# Altium PCB TSSPtrue.PcbDoc
Units mm, origin at the board's own origin, x right, y up, seen from the top; angles counter-clockwise.
Board outline 102 x 102 mm, 2 copper layers (Top Layer, Bottom Layer); 88 components, 55 nets, 224 pads, 2 vias.
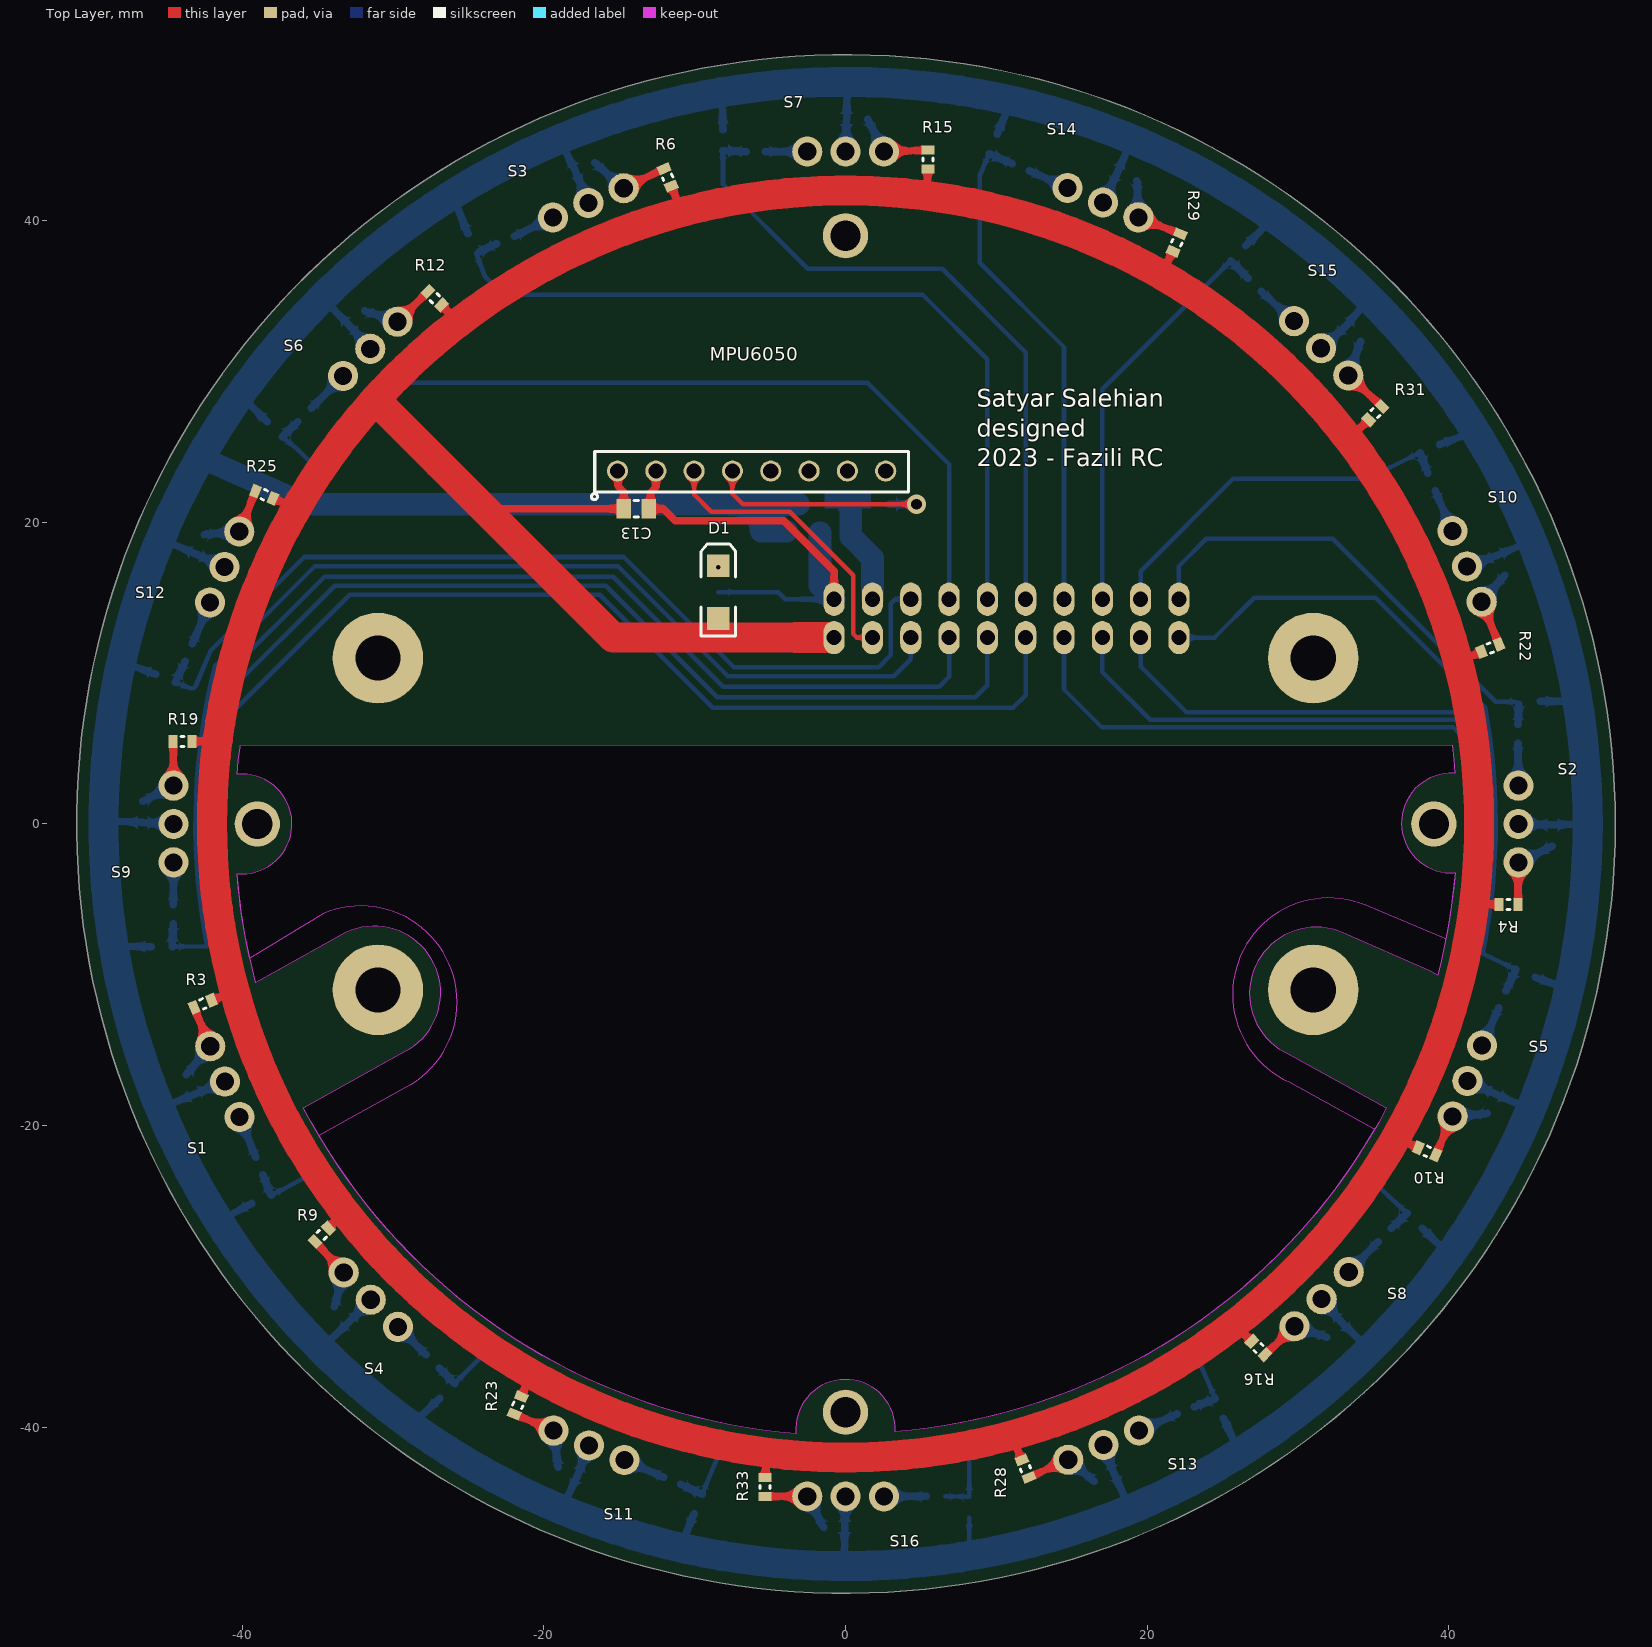
[diagram p0: Top Layer view]
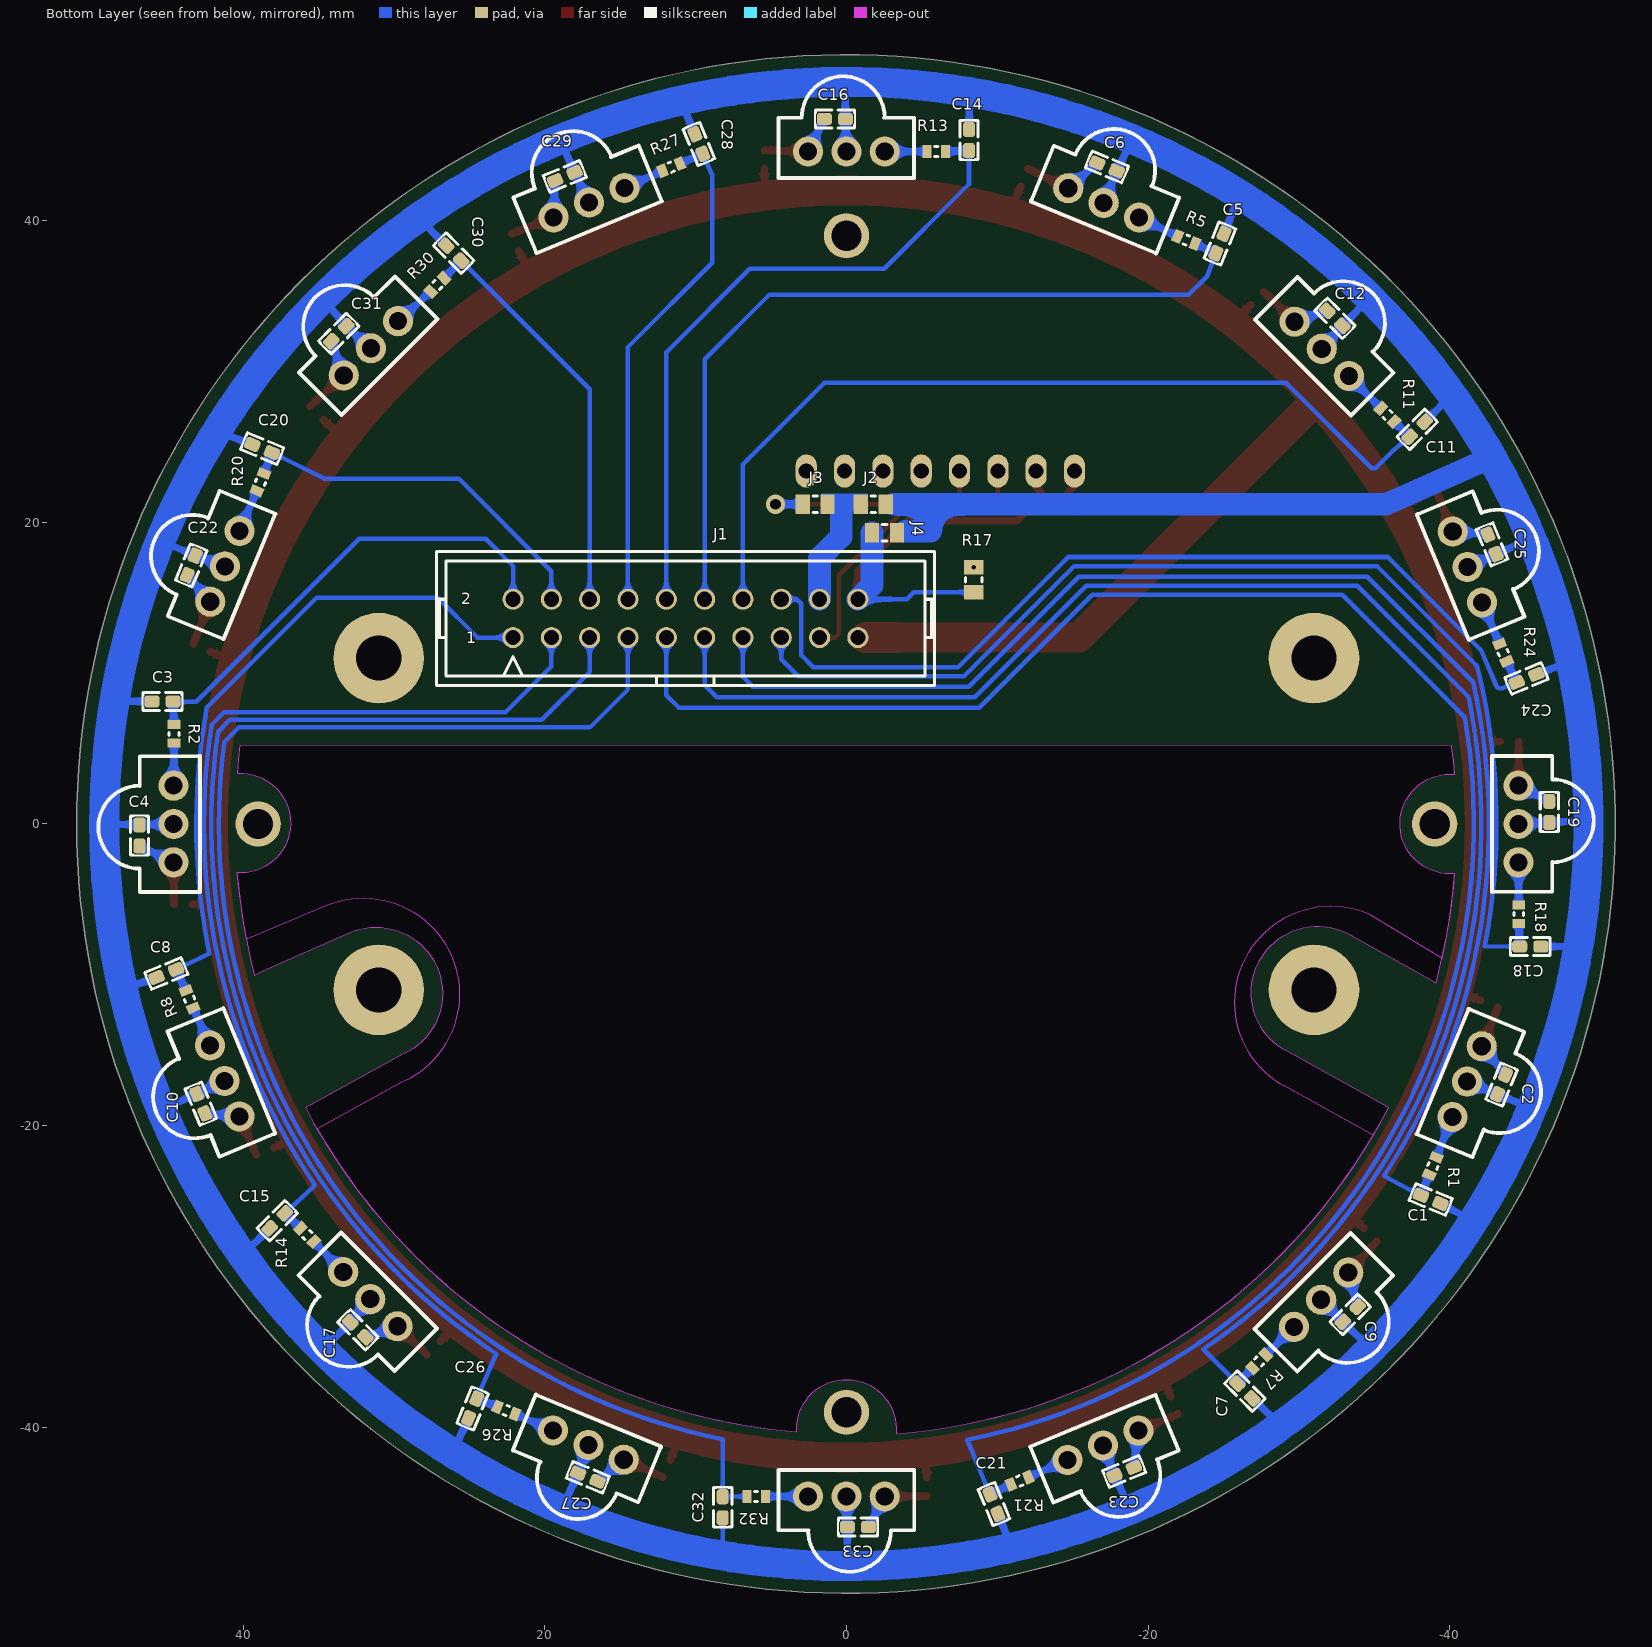
[diagram p1: Bottom Layer view, seen from below]

## Layer stack, top to bottom
Top Solder: solder mask 0.0102, Solder Resist, Dk 3.5
Top Layer: signal copper 0.0356
Dielectric 1: dielectric 0.32, FR-4, Dk 4.8
Bottom Layer: signal copper 0.0356
Bottom Solder: solder mask 0.0102, Solder Resist, Dk 3.5

## Board outline
-46.881,-20.02 ccw(c0.025,0) -46.917,-19.935
cut-out: -35.942,-18.797 -29.212,-15.08 ccw(c-31.242,-11.176) -33.412,-7.347 -39.089,-10.534 cw(c0,-0.04) -40.343,-3.288 -40.345,-3.287 ccw(c-40.005,0) -40.304,3.291 -40.336,3.294 cw(c0,-0.04) -40.146,5.098 -40.146,5.2 40.204,5.233 cw(c0.063,0.062) 40.4,3.372 40.305,3.364 ccw(c40.155,0.063) 40.402,-3.232 cw(c0.063,0.062) 39.256,-10.036 38.697,-9.738 32.97,-7.224 ccw(c31.176,-11.242) 29.337,-15.24 35.858,-18.826 cw(c0.063,0.062) 3.301,-40.282 ccw(c0,-40.132) -3.295,-40.379 -3.298,-40.418 cw(c-0.059,-0.075)
cut-out: -34.918,-20.64 -29.185,-17.468 ccw(c-32.131,-11.811) -34.628,-5.942 -39.497,-8.89 -39.494,-8.888 cw(c0,-0.04) -40.343,-3.288 -40.345,-3.287 ccw(c-40.005,0) -40.304,3.291 -40.336,3.294 cw(c0,-0.04) -40.146,5.098 -40.146,5.2 40.204,5.233 cw(c0.063,0.062) 40.4,3.372 40.305,3.364 ccw(c40.155,0.063) 40.402,-3.232 cw(c0.063,0.062) 39.799,-7.629 39.751,-7.62 34.484,-5.394 ccw(c32.033,-11.282) 29.415,-17.098 35.052,-20.193 35.09,-20.215 cw(c0.063,0.062) 3.301,-40.282 ccw(c0,-40.132) -3.295,-40.379 -3.298,-40.418 cw(c-0.059,-0.075)

## Design rules (kind name [scope] priority, off if disabled: settings)
Clearance [All] p1: gap=0.2 ignorepadtopadclearanceinfootprint=FALSE except(0.3: Arc-Via Track-Via SMDPad-Via THPad-Via Via-Via)
PolygonConnect [All] p1: connectstyle=Relief reliefconductorwidth=0.254 reliefentries=4 polygonreliefangle="90 Angle" airgapwidth=0.254
RoutingVias [All] p1: holewidth=0.711 width=1.27 viastyle="Through Hole" minholewidth=0.711 minwidth=1.27 maxholewidth=0.711 maxwidth=1.27
SolderMaskExpansion [All] p1: expansion=0.102 istentingtop=FALSE
Width [All] p1: maxlimit=2 minlimit=0.3 preferedwidth=0.5 minimp=50.000000 maximp=50.000000 favimp=50.000000
30 further rules are at their usual default settings.

## Components (designator, comment, footprint, x,y, rotation, side; value= is the part's Value field where it differs from the comment)
C1 "10nF" C0603 -38.735,-24.892 r202.5 bottom
C2 "10nF" C0603 -43.434,-17.272 r292.5 bottom
C3 "10nF" C0603 45.339,8.128 r0 bottom
C4 "10nF" C0603 46.863,-0.762 r90 bottom
C5 "10nF" C0603 -24.765,38.481 r112.5 bottom
C6 "10nF" C0603 -17.272,43.561 r202.5 bottom
C7 "10nF" C0603 -26.416,-37.592 r225 bottom
C8 "10nF" C0603 45.085,-9.906 r337.5 bottom
C9 "10nF" C0603 -33.401,-32.512 r315 bottom
C10 "10nF" C0603 42.799,-18.542 r67.5 bottom
C11 "10nF" C0603 -37.846,26.162 r135 bottom
C12 "10nF" C0603 -32.385,33.528 r225 bottom
C13 "100nF" SMD_CAP_0805 -14.7,20.9 r0 top
C14 "10nF" C0603 -8.128,45.339 r90 bottom
C15 "10nF" C0603 37.732,-26.302 r315 bottom
C16 "10nF" C0603 0.762,46.736 r180 bottom
C17 "10nF" C0603 32.385,-33.528 r45 bottom
C18 "10nF" C0603 -45.339,-8.128 r180 bottom
C19 "10nF" C0603 -46.6,0.8 r270 bottom
C20 "10nF" C0603 38.735,24.892 r22.5 bottom
C21 "10nF" C0603 -9.779,-45.085 r247.5 bottom
C22 "10nF" C0603 43.434,17.145 r112.5 bottom
C23 "10nF" C0603 -18.415,-42.926 r337.5 bottom
C24 "10nF" C0603 -45.085,9.652 r157.5 bottom
C25 "10nF" C0603 -42.799,18.542 r247.5 bottom
C26 "10nF" C0603 24.779,-38.747 r292.5 bottom
C27 "10nF" C0603 17.145,-43.307 r22.5 bottom
C28 "10nF" C0603 9.779,45.085 r67.5 bottom
C29 "10nF" C0603 18.669,42.926 r157.5 bottom
C30 "10nF" C0603 26.035,37.846 r45 bottom
C31 "10nF" C0603 33.655,32.512 r135 bottom
C32 "10nF" C0603 8.2,-45.3 r270 bottom
C33 "10nF" C0603 -0.762,-46.609 r0 bottom
D1 "LED Red" LED_Red_1206 -8.435,15.371 r90 top
J1 "TSSP" IDC_2X10 10.67,13.63 r180 bottom locked value=IDC_2X10
J2 "" "RES 0805 (2012X06L)" -0.95,21.2 r180 bottom
J3 "" "RES 0805 (2012X06L)" 1.25,21.2 r0 bottom
J4 "" "RES 0805 (2012X06L)" -1.7,19.3 r180 bottom
MPU6050 "HDRF8" HDR_F_1X8 -6.23,23.4 r0 top
R1 "1K" "RES 0603 (1608X06L)" -39.116,-22.098 r292.5 bottom
R2 "1K" "RES 0603 (1608X06L)" 44.577,5.36 r90 bottom
R3 "1K" "RES 0603 (1608X06L)" -42.037,-11.684 r202.5 top
R4 "1K" "RES 0603 (1608X06L)" 43.333,-5.334 r0 top
R5 "1K" "RES 0603 (1608X06L)" -21.964,38.957 r202.5 bottom
R6 "1K" "RES 0603 (1608X06L)" -11.557,42.291 r112.5 top
R7 "1K" "RES 0603 (1608X06L)" -27.804,-35.188 r315 bottom
R8 "1K" "RES 0603 (1608X06L)" 43.307,-12.192 r67.5 bottom
R9 "1K" "RES 0603 (1608X06L)" -34.29,-26.797 r225 top
R10 "1K" "RES 0603 (1608X06L)" 37.973,-21.463 r337.5 top
R11 "1K" "RES 0603 (1608X06L)" -35.433,27.559 r225 bottom
R12 "1K" "RES 0603 (1608X06L)" -26.797,34.417 r135 top
R13 "1K" "RES 0603 (1608X06L)" -5.334,44.577 r180 bottom
R14 "1K" "RES 0603 (1608X06L)" 35.306,-27.686 r45 bottom
R15 "1K" "RES 0603 (1608X06L)" 5.461,43.434 r90 top
R16 "1K" "RES 0603 (1608X06L)" 26.933,-34.299 r315 top
R17 "2.2K" "RES 0805 (2012X06L)" -8.435,15.371 r90 bottom
R18 "1K" "RES 0603 (1608X06L)" -44.577,-5.36 r270 bottom
R19 "1K" "RES 0603 (1608X06L)" -43.333,5.461 r180 top
R20 "1K" "RES 0603 (1608X06L)" 39.084,22.091 r112.5 bottom
R21 "1K" "RES 0603 (1608X06L)" -12.065,-43.307 r337.5 bottom
R22 "1K" "RES 0603 (1608X06L)" 42.164,11.43 r22.5 top
R23 "1K" "RES 0603 (1608X06L)" -21.495,-37.966 r247.5 top
R24 "1K" "RES 0603 (1608X06L)" -43.307,11.938 r247.5 bottom
R25 "1K" "RES 0603 (1608X06L)" -37.973,21.59 r157.5 top
R26 "1K" "RES 0603 (1608X06L)" 21.971,-39.116 r22.5 bottom
R27 "1K" "RES 0603 (1608X06L)" 12.192,43.307 r157.5 bottom
R28 "1K" "RES 0603 (1608X06L)" 11.684,-42.164 r292.5 top
R29 "1K" "RES 0603 (1608X06L)" 21.717,37.973 r67.5 top
R30 "1K" "RES 0603 (1608X06L)" 27.559,35.306 r135 bottom
R31 "1K" "RES 0603 (1608X06L)" 34.68,26.806 r45 top
R32 "1K" "RES 0603 (1608X06L)" 5.36,-44.577 r0 bottom
R33 "1K" "RES 0603 (1608X06L)" -5.334,-43.333 r270 top
S1 "TSSP58038" TSSP58038 -41.149,-17.082 r292.5 top locked
S2 "TSSP58038" TSSP58038 44.602,0 r90 top locked
S3 "TSSP58038" TSSP58038 -17.057,41.174 r202.5 top locked
S4 "TSSP58038" TSSP58038 -31.477,-31.539 r315 top locked
S5 "TSSP58038" TSSP58038 41.219,-17.035 r67.5 top locked
S6 "TSSP58038" TSSP58038 -31.513,31.503 r225 top locked
S7 "TSSP58038" TSSP58038 0,44.577 r180 top locked
S8 "TSSP58038" TSSP58038 31.564,-31.503 r45 top locked
S9 "TSSP58038" TSSP58038 -44.552,0 r270 top locked
S10 "TSSP58038" TSSP58038 41.199,17.082 r112.5 top locked
S11 "TSSP58038" TSSP58038 -17.01,-41.193 r337.5 top locked
S12 "TSSP58038" TSSP58038 -41.168,17.035 r247.5 top locked
S13 "TSSP58038" TSSP58038 17.108,-41.174 r22.5 top locked
S14 "TSSP58038" TSSP58038 17.061,41.193 r157.5 top locked
S15 "TSSP58038" TSSP58038 31.528,31.539 r135 top locked
S16 "TSSP58038" TSSP58038 0,-44.577 r0 top locked

## Footprints (in the part's own frame and the unit in brackets; to place one, negate y for a bottom-side part, rotate by r counter-clockwise, add the part's x,y. Pads: shape width x height; smd on the part's side, far side on the other; paste and mask are expansions set on the pad)
C0603 [mm] "CHIP Capacitor, 1.6X0.8mm, 0603"
  rrect50% 1x0.8 smd mask+0.075: 1(-0.7,0) 2(0.7,0)
  silkscreen extent -1.33,-0.6 1.32,0.6, body extent -0.8,-0.4 0.8,0.4, height 0.9
HDR_F_1X8 [mm] "HEADER FEMALE pitch: 2.54mm"
  round 1.4 / inner round 1.4 / far side oval 1.4x2.2 hole 1 mask+0.1: 1(-8.89,0) 2(-6.35,0) 3(-3.81,0) 4(-1.27,0) 5(1.27,0) 6(3.81,0) 7(6.35,0) 8(8.89,0)
  silkscreen extent -10.62,-1.9 10.4,1.3, body extent -9.92,-1.3 10.4,13.94, height 5.57
IDC_2X10 [mm]
  round 1.4 / inner round 1.4 / far side oval 1.4x2.2 hole 1 mask+0.1: 1(-11.43,-1.27) 2(-11.43,1.27) 3(-8.89,-1.27) 4(-8.89,1.27) 5(-6.35,-1.27) 6(-6.35,1.27) 7(-3.81,-1.27) 8(-3.81,1.27) 9(-1.27,-1.27) 10(-1.27,1.27) 11(1.27,-1.27) 12(1.27,1.27) 13(3.81,-1.27) 14(3.81,1.27) 15(6.35,-1.27) 16(6.35,1.27) 17(8.89,-1.27) 18(8.89,1.27) 19(11.43,-1.27) 20(11.43,1.27)
  silkscreen extent -16.51,-4.45 16.51,4.45, body extent -16.53,-4.42 16.53,4.75, height 9.13
LED_Red_1206 [mm]
  rect 1.5x1.5 smd: 1(-1.75,0) 2(1.75,0)
  silkscreen extent -2.9,-1.15 3.2,1.15, body extent -1.61,-0.8 1.61,0.8, height 1.1
"RES 0603 (1608X06L)" [mm] "Chip Resistor, 2-Leads, Body 1.6x0.8mm, IPC High Density _ (0.063W)"
  rect 0.6x0.85 smd: 1(0,0) 2(1.244,0)
  silkscreen extent 0.52,-0.33 0.72,0.33, body extent -0.14,-0.38 1.38,0.38, height 0.45
"RES 0805 (2012X06L)" [mm] "Chip Resistor, 2-Leads, Body 2.0x1.3mm, IPC High Density _ (0.100 W)"
  rect 0.95x1.3 smd: 1(0,0) 2(1.65,0)
  silkscreen extent 0.67,-0.55 0.97,0.55, body extent -0.19,-0.63 1.84,0.64, height 0.6
SMD_CAP_0805 [mm]
  rect 0.95x1.3 smd: 1(0,0) 2(1.65,0)
  silkscreen extent 0.67,-0.55 0.97,0.55, body extent -0.19,-0.63 1.84,0.63, height 0.65
TSSP58038 [mm]
  round 2 hole 1.2: 1(2.54,0) 2(0,0) 3(-2.54,0)

## Part data
C1 C2 C3 C4 C5 C6 C7 C8 C9 C10 C11 C12 C13 C14 C15 C16 C17 C18 C19 C20 C21 C22 C23 C24 C25 C26 C27 C28 C29 C30 C31 C32 C33: library part Cap-Bipolar, "Bipolar Capacitor", Voltage=100V, Adding Date=1387/12/20, Designer="Saeid Jorablo", Organazation=ControTec
J1: library part IDC_2X10, "CONN, IDC, Male, pitch: 2.54mm, 20POS"
J2 J3 J4 R1 R2 R3 R4 R5 R6 R7 R8 R9 R10 R11 R12 R13 R14 R15 R16 R17 R18 R19 R20 R21 R22 R23 R24 R25 R26 R27 R28 R29 R30 R31 R32 R33: library part Resistor, "Resistor"
MPU6050: library part HDR_F_1X8, "CONN, HEADER, Female, pitch: 2.54mm, 8POS"

## Free pads (board coordinates)
  round 3 hole 2: ""(-39,0) ""(0,-39) ""(0,39) ""(39,0)
  round 6 hole 3: ""(-31,-11) ""(-31,11) ""(31,-11) ""(31,11)

## Via types
v1: diameter 1.27, hole 0.711, Top Layer to Bottom Layer, tented both sides, 1 vias
v2: diameter 0.6, hole 0.3, Top Layer to Bottom Layer, tented both sides, 1 vias

## Nets (pads, with @x,y where several pads share a name; then routed paths per layer and width w, separated by ;. In a path a pad name is that pad's centre, name@x,y a point inside that pad or via, vN(x,y) a via of type N, cw(c..) or ccw(c..) an arc to the next point about the centre after c; other vN are vias at no path point)
+3.3-UC: C13.1 D1.1 J1.19 MPU6050.1 R3.1 R4.1 R6.1 R9.1 R10.1 R12.1 R15.1 R16.1 R19.1 R22.1 R23.1 R25.1 R28.1 R29.1 R31.1 R33.1 | length 339.5
  Top Layer w0.5: R19.1 -43.283,5.464 -43.251,5.464 -41.636,5.518 ; R3.1 -41.99,-11.666 -40.506,-11.102 ; R25.1 -37.927,21.571 -36.41,20.936 ; R9.1 -34.257,-26.76 -34.231,-26.735 -33.238,-25.675 ; R12.1 -26.763,34.38 -26.739,34.356 -25.675,33.238 ; -23.729,20.671 -23.5,20.9 C13.1 -14.7,22 -15.085,22.385 -15.085,23.365 MPU6050.1 ; R23.1 -21.48,-37.918 -21.426,-37.789 -20.902,-36.429 ; R6.1 -11.538,42.245 -10.865,40.57 ; R33.1 -5.328,-43.283 -5.328,-43.254 -5.197,-41.677 ; 5.368,41.655 5.457,43.355 5.457,43.384 R15.1 ; 11.009,-40.532 11.665,-42.118 R28.1 ; 20.928,36.478 21.66,37.865 21.687,37.931 R29.1 ; 25.751,-33.179 26.872,-34.241 26.896,-34.265 R16.1 ; 33.36,25.517 34.623,26.75 34.644,26.771 R31.1 ; 36.466,-20.838 37.927,-21.444 R10.1 ; 40.6,10.753 42.118,11.41 R22.1 ; 41.665,-5.296 43.25,-5.332 43.283,-5.332 R4.1
  Top Layer w1.5: -26.979,23.921 -26.979,24.1
  Top Layer w2: -31.188,28.13 -26.979,23.921 -23.729,20.671 -15.418,12.36 J1.19@-1.2,12.36 ; 42,0 ccw(c0,0) 42,0
GND: C1.2 C2.2 C3.2 C4.2 C5.2 C6.2 C7.2 C8.2 C9.2 C10.2 C11.2 C12.2 C14.2 C15.2 C16.2 C17.2 C18.2 C19.2 C20.2 C21.2 C22.2 C23.2 C24.2 C25.2 C26.2 C27.2 C28.2 C29.2 C30.2 C31.2 C32.2 C33.2 J2.2 J4.2 S1.2 S2.2 S3.2 S4.2 S5.2 S6.2 S7.2 S8.2 S9.2 S10.2 S11.2 S12.2 S13.2 S14.2 S15.2 S16.2 | length 467.2
  Bottom Layer w0.3: 8.187,-48.514 8.198,-46.308 8.198,-46.3 C32.2
  Bottom Layer w0.5: -49.2,0.203 -46.775,0.107 -46.75,0.107 C19.2 -46.45,0.091 -46.417,0.091 S9.2 ; -48.528,-8.105 -46.311,-8.125 -46.289,-8.125 C18.2 ; -48.005,10.779 -45.966,10.008 C24.2 ; -45.442,-18.859 -43.377,-18.006 -43.305,-17.976 C2.2 -43.028,-17.861 -42.894,-17.806 S1.2 ; -45.421,18.909 -43.205,17.955 C25.2 -42.93,17.833 S12.2 ; -41.558,-26.336 -39.603,-25.279 C1.2 ; -40.131,28.464 -38.532,26.849 -38.517,26.835 C11.2 ; -34.79,-34.79 -33.033,-33.128 -33.016,-33.11 C9.2 -32.802,-32.899 -32.779,-32.876 S4.2 ; -34.689,34.89 -33.002,33.158 -32.984,33.141 C12.2 -32.781,32.92 -32.758,32.897 S6.2 ; S4.2 S4.2 ; -28.817,-39.877 -27.106,-38.271 -27.094,-38.258 C7.2 ; -26.076,41.722 -25.126,39.36 C5.2 ; -18.958,45.401 -17.985,43.428 C6.2 -17.862,43.154 S3.2 ; -18.844,-45.448 -17.857,-43.38 -17.836,-43.328 C23.2 -17.715,-43.054 S11.2 ; -10.952,-47.966 -10.141,-45.963 C21.2 ; -8.186,48.514 -8.134,46.309 -8.134,46.289 C14.2 ; -0.1,-49.2 -0.1,-49.199 -0.065,-46.784 -0.065,-46.759 C33.2 -0.056,-46.459 -0.056,-46.426 S16.2 ; S7.2 0.057,46.555 0.057,46.586 C16.2 0.065,46.886 0.065,46.912 0.1,49.2 ; C28.2 10.144,45.962 10.99,47.957 ; S14.2 17.957,43.058 C29.2 18.082,43.331 18.98,45.392 ; S13.2 17.74,-42.898 C27.2 17.852,-43.177 18.844,-45.448 ; C26.2 25.153,-39.62 26.121,-41.693 ; C30.2 26.705,38.519 26.72,38.534 28.361,40.203 ; S15.2 33.026,32.886 33.047,32.908 C31.2 33.257,33.122 33.276,33.141 34.739,34.84 ; S8.2 32.761,-32.894 32.784,-32.917 C17.2 32.988,-33.137 33.005,-33.155 34.739,-34.84 ; C15.2 38.405,-26.972 38.42,-26.987 40.043,-28.587 ; C20.2 39.617,25.246 41.75,26.031 ; S10.2 42.828,17.67 43.021,17.75 C22.2 43.304,17.851 45.475,18.779 ; S5.2 42.931,-17.832 C10.2 43.204,-17.956 45.412,-18.93 ; S2.2 46.684,-0.057 46.713,-0.057 C4.2 47.013,-0.057 47.041,-0.057 49.2,0 ; C8.2 45.968,-10.257 47.964,-10.96 ; C3.2 46.289,8.129 46.31,8.129 48.522,8.137
  Bottom Layer w1.5: -42.773,24.312 -35.8,21.2 -5.6,21.2 ; -3.9,19.4 -5.6,19.4 -5.6,21.2 ; -3.1,21.2 -5.6,21.2
  Bottom Layer w2: 49.2,0 ccw(c0,0) 49.2,0
GNDmain: C13.2 J1.20 J4.1 MPU6050.2 R17.1 | length 31.2
  Top Layer w0.5: MPU6050.2 -12.58,22.32 -12.932,21.968 -12.932,21.018 C13.2 -12.1,20.9 -11.3,20.1 -4.1,20.1 -0.76,16.76 J1.20
  Bottom Layer w0.3: R17.1 -4.471,15.371 -4,14.9 J1.20
  Bottom Layer w1.5: J4.1 -1.7,15.84 J1.20
NetC2_1: C2.1 R3.2 S1.3 | length 5.3
  Top Layer w0.5: R3.2 -43.12,-12.322 S1.3
  Bottom Layer w0.5: C2.1 -43.608,-16.461 -43.541,-16.433 S1.3
NetC4_1: C4.1 R4.2 S2.3 | length 5.3
  Top Layer w0.5: R4.2 44.579,-5.159 44.579,-5.153 S2.3
  Bottom Layer w0.5: S2.3 46.713,-1.534 C4.1
NetC6_1: C6.1 R6.2 S3.3 | length 5.5
  Top Layer w0.5: S3.3 -12.191,43.364 R6.2
  Bottom Layer w0.5: C6.1 -16.465,43.733 -16.436,43.662 S3.3
NetC9_1: C9.1 R9.2 S4.3 | length 5.2
  Top Layer w0.5: R9.2 -35.052,-27.806 -35.049,-27.809 S4.3
  Bottom Layer w0.5: C9.1 -33.85,-31.85 S4.3
NetC10_1: C10.1 R10.2 S5.3 | length 5.1
  Top Layer w0.5: R10.2 39.193,-21.779 S5.3
  Bottom Layer w0.5: S5.3 42.279,-19.21 42.348,-19.239 C10.1
NetC12_1: C12.1 R12.2 S6.3 | length 5.1
  Top Layer w0.5: S6.3 -27.806,35.171 -27.802,35.175 R12.2
  Bottom Layer w0.5: C12.1 -31.731,33.97 S6.3
NetC16_1: C16.1 R15.2 S7.3 | length 5.3
  Top Layer w0.5: S7.3 5.286,44.672 R15.2
  Bottom Layer w0.5: C16.1 1.537,46.586 S7.3
NetC17_1: C17.1 R16.2 S8.3 | length 5
  Top Layer w0.5: R16.2 27.939,-35.058 27.942,-35.055 29.767,-33.3 S8.3
  Bottom Layer w0.5: S8.3 31.732,-33.969 C17.1
NetC19_1: C19.1 R19.2 S9.3 | length 5.2
  Top Layer w0.5: R19.2 -44.575,5.286 -44.575,5.28 S9.3
  Bottom Layer w0.5: C19.1 -46.45,1.576 S9.3
NetC22_1: C22.1 R22.2 S10.3 | length 5.4
  Top Layer w0.5: S10.3 43.248,12.068 R22.2
  Bottom Layer w0.5: S10.3 43.535,16.307 43.607,16.336 C22.1
NetC23_1: C23.1 R23.2 S11.3 | length 5.3
  Top Layer w0.5: R23.2 -21.81,-39.184 S11.3
  Bottom Layer w0.5: S11.3 -19.356,-40.223 -19.091,-42.413 -19.116,-42.473 C23.1
NetC25_1: C25.1 R25.2 S12.3 | length 5.2
  Top Layer w0.5: S12.3 -39.201,21.871 -39.187,21.904 R25.2
  Bottom Layer w0.5: C25.1 -42.348,19.238 -42.28,19.21 S12.3
NetC27_1: C27.1 R28.2 S13.3 | length 5.1
  Top Layer w0.5: R28.2 12.32,-43.242 S13.3
  Bottom Layer w0.5: S13.3 16.304,-43.415 16.331,-43.482 C27.1
NetC29_1: C29.1 R29.2 S14.3 | length 5.4
  Top Layer w0.5: S14.3 22.03,39.187 R29.2
  Bottom Layer w0.5: C29.1 19.357,42.479 19.325,42.402 S14.3
NetC31_1: C31.1 R31.2 S15.3 | length 5.5
  Top Layer w0.5: S15.3@33.325,29.742 35.431,27.805 R31.2
  Bottom Layer w0.5: S15.3 34.093,31.861 C31.1
NetC33_1: C33.1 R33.2 S16.3 | length 5.1
  Top Layer w0.5: R33.2 -5.159,-44.577 S16.3
  Bottom Layer w0.5: S16.3 -1.572,-46.401 -1.572,-46.459 C33.1
NetD1_2: D1.2 R17.2
  other v2: -8.435,17.021
NetJ1_18: J1.18 J2.1 J3.1 | length 6.9
  Bottom Layer w1.5: 0.2,21.1 0.35,20.95 0.35,19.05 1.78,17.62 J1.18
NetR1_1: R1.1 S1.1 | length 2.9
  Bottom Layer w0.5: S1.1 -39.134,-22.052 R1.1
NetR2_1: R2.1 S2.1 | length 2.8
  Bottom Layer w0.5: R2.1 44.578,5.31 44.578,5.291 S2.1
NetR5_1: R5.1 S3.1 | length 2.8
  Bottom Layer w0.5: R5.1 -21.919,38.979 S3.1
NetR7_1: R7.1 S4.1 | length 2.6
  Bottom Layer w0.5: S4.1 -27.854,-35.138 -27.84,-35.153 R7.1
NetR8_1: R8.1 S5.1 | length 2.7
  Bottom Layer w0.5: S5.1 42.191,-14.687 43.287,-12.238 R8.1
NetR11_1: R11.1 S6.1 | length 3
  Bottom Layer w0.5: R11.1 -35.398,27.595 -35.385,27.607 S6.1
NetR13_1: R13.1 S7.1 | length 2.8
  Bottom Layer w0.5: R13.1 S7.1
NetR14_1: R14.1 S8.1 | length 2.8
  Bottom Layer w0.5: S8.1 35.258,-27.736 35.272,-27.722 R14.1
NetR18_1: R18.1 S9.1 | length 2.8
  Bottom Layer w0.5: R18.1 -44.576,-5.31 -44.576,-5.291 S9.1
NetR20_1: R20.1 S10.1 | length 2.9
  Bottom Layer w0.5: R20.1 39.104,22.045 S10.1
NetR21_1: R21.1 S11.1 | length 2.8
  Bottom Layer w0.5: S11.1 -12.111,-43.287 R21.1
NetR24_1: R24.1 S12.1 | length 3
  Bottom Layer w0.5: R24.1 -43.287,11.984 S12.1
NetR26_1: R26.1 S13.1 | length 2.7
  Bottom Layer w0.5: S13.1 19.456,-40.201 21.925,-39.136 R26.1
NetR27_1: R27.1 S14.1 | length 2.8
  Bottom Layer w0.5: R27.1 12.238,43.286 S14.1
NetR30_1: R30.1 S15.1 | length 2.9
  Bottom Layer w0.5: R30.1 27.597,35.273 27.608,35.262 S15.1
NetR32_1: R32.1 S16.1 | length 2.8
  Bottom Layer w0.5: S16.1 5.31,-44.577 R32.1
SCL: J1.17 MPU6050.3 | length 20.2
  Top Layer w0.3: MPU6050.3 -10.04,21.84 -8.9,20.7 -3.71,20.7 0.5,16.49 0.5,12.6 0.74,12.36 J1.17 J1.17@1.329,12.811
SDA: J3.2 MPU6050.4 | length 15.8
  Top Layer w0.3: MPU6050.4 -7.5,21.9 -6.8,21.2 v1(4.7,21.2)
  Bottom Layer w0.5: J3.2 v1(4.7,21.2)
TSSP1: C3.1 J1.2 R2.2 | length 31.3
  Bottom Layer w0.3: J1.2 22.1,17.1 23.9,18.9 32.3,18.9 43.1,8.1 44.219,8.1 cw(c44.219,7.518) C3.1@44.631,7.929
  Bottom Layer w0.5: R2.2 44.581,6.654 44.581,6.694 C3.1@44.631,7.929
TSSP2: C8.1 J1.1 R8.2 | length 44.8
  Bottom Layer w0.3: J1.1 24.46,12.36 27.1,15 35.129,15 42.402,7.728 cw(c0,0) 42.236,-8.587 42.77,-8.842 44.167,-9.509 C8.1
  Bottom Layer w0.5: R8.2 43.804,-10.997 44.363,-9.799 44.374,-9.774 C8.1
TSSP3: C15.1 J1.3 R14.2 | length 62.3
  Bottom Layer w0.3: J1.3 19.56,10.44 22.6,7.4 41.258,7.4 42.091,6.567 cw(c0,0) 35.233,-23.946 37.01,-25.596 37.017,-25.603 C15.1
  Bottom Layer w0.5: R14.2 36.223,-26.772 36.254,-26.742 37.091,-25.946 37.127,-25.909 C15.1
TSSP4: C20.1 J1.4 R20.2 | length 24.8
  Bottom Layer w0.3: J1.4 19.56,16.76 25.7,22.9 34.619,22.9 37.819,24.49 C20.1
  Bottom Layer w0.5: C20.1 38.141,24.484 38.59,23.288 R20.2
TSSP5: C26.1 J1.5 R26.2 | length 81
  Bottom Layer w0.3: J1.5 17.02,10.08 20.2,6.9 40.875,6.9 41.652,6.122 cw(c0,0) 23.214,-35.121 24.391,-37.825 C26.1
  Bottom Layer w0.5: R26.2 23.167,-38.622 24.371,-38.154 C26.1
TSSP6: C30.1 J1.6 R30.2 | length 27.6
  Bottom Layer w0.3: J1.6 17.02,28.831 C30.1
  Bottom Layer w0.5: C30.1 25.645,37.243 25.675,37.213 26.644,36.222 R30.2
TSSP7: C32.1 J1.7 R32.2 | length 99.6
  Bottom Layer w0.3: R32.2 6.754,-44.579 6.761,-44.579 7.998,-44.597 8,-44.597 C32.1 8.2,-40.8 ; 8.197,-40.784 ccw(c0,0) 41.244,5.432 40.276,6.4 17,6.4 14.48,8.92 J1.7
TSSP8: C28.1 J1.8 R27.2 | length 33.6
  Bottom Layer w0.3: C28.1 9.394,44.162 8.9,43 8.9,37.2 14.48,31.62 J1.8
  Bottom Layer w0.5: C28.1 9.649,44.379 10.996,43.803 R27.2
TSSP9: C21.1 J1.9 R21.2 | length 133.4
  Bottom Layer w0.3: C21.1 -9.396,-44.161 -8.008,-40.822 cw(c0,0) -40.994,7.074 -32.868,15.2 -16.3,15.2 -8.8,7.7 11.1,7.7 11.94,8.54 J1.9
  Bottom Layer w0.5: R21.2 -10.87,-43.804 -9.647,-44.375 C21.1
TSSP10: C14.1 J1.10 R13.2 | length 44.8
  Bottom Layer w0.3: C14.1 -8.128,42.428 -2.5,36.8 6.4,36.8 11.94,31.26 J1.10
  Bottom Layer w0.5: C14.1 -7.978,44.631 -7.932,44.631 -6.669,44.581 -6.628,44.581 R13.2
TSSP11: C7.1 J1.11 R7.2 | length 114.4
  Bottom Layer w0.3: C7.1 -25.709,-36.885 -23.655,-34.826 cw(c0,0) -41.25,8.418 -33.868,15.8 -15.9,15.8 -8.5,8.4 8.6,8.4 9.4,9.2 J1.11
  Bottom Layer w0.5: R7.2 -26.89,-36.104 -26.858,-36.136 -26.062,-36.952 -26.025,-36.989 C7.1
TSSP12: C5.1 J1.12 R5.2 | length 54.5
  Bottom Layer w0.3: C5.1 -24.391,37.554 -23.927,36.327 -23.881,36.281 -22.7,35.1 5.1,35.1 9.4,30.8 J1.12
  Bottom Layer w0.5: C5.1@-24.334,37.91 -23.175,38.452 -23.159,38.459 R5.2
TSSP13: C1.1 J1.13 R1.2 | length 95.6
  Bottom Layer w0.3: C1.1 -37.822,-24.483 -35.644,-23.329 cw(c0,0) -41.552,9.389 -34.542,16.4 -15.4,16.4 -8.1,9.1 6.2,9.1 6.86,9.76 J1.13
  Bottom Layer w0.5: R1.2 -38.621,-23.294 -38.144,-24.485 C1.1
TSSP14: C11.1 J1.14 R11.2 | length 60
  Bottom Layer w0.3: C11.1 -37.117,25.477 -37.101,25.461 -36.311,24.809 -36.29,24.79 -35.074,23.574 -34.826,23.574 -29.16,29.24 1.475,29.24 6.86,23.855 J1.14
  Bottom Layer w0.5: C11.1 -37.243,25.771 -37.208,25.806 -36.382,26.612 -36.349,26.645 R11.2
TSSP15: C18.1 J1.15 R18.2 | length 76.4
  Bottom Layer w0.3: C18.1 -44.339,-8.125 -44.329,-8.125 -42.331,-8.106 cw(c0,0) -41.791,10.54 -41.739,10.54 -35.178,17.1 -15.1,17.1 -7.8,9.8 3.2,9.8 4.32,10.92 J1.15
  Bottom Layer w0.5: C18.1 -44.631,-7.978 -44.631,-7.931 -44.581,-6.695 -44.581,-6.654 R18.2
TSSP16: C24.1 J1.16 R24.2 | length 61.4
  Bottom Layer w0.3: C24.1 -44.159,9.275 -43.47,9.005 ccw(c-43.361,9.285) -43.085,9.166 -42.063,11.537 -35.9,17.7 -14.7,17.7 -7.4,10.4 2.2,10.4 3,11.2 3,14.6 3.3,14.9 J1.16
  Bottom Layer w0.5: C24.1 -44.375,9.52 -43.81,10.731 -43.805,10.743 R24.2
pads on no net: MPU6050.5 MPU6050.6 MPU6050.7 MPU6050.8

## Other copper
Bottom Layer:
  rectangle net NetJ1_18: -1.4,20.9 1.7,21.9

## Silkscreen, mask and mechanical layers (free items; w line width, h text height)
Top Overlay:
  text "Satyar Salehian" at 8.7,27.278 h2
  text "designed" at 8.7,25.278 h2
  text "2023 - Fazili RC" at 8.7,23.323 h2
Mechanical 1:
  lines w0.127: -50.077,9.659 ccw(c0,0) -50.063,9.732
  lines w0.254: -50.077,9.66 -50.063,9.732 ; -40.345,-3.287 ccw(c-40.005,0) -40.304,3.291 ; -40.343,-3.288 ccw(c0,-0.04) -39.089,-10.534 -33.412,-7.347 cw(c-31.242,-11.176) -29.212,-15.08 -35.942,-18.797 ccw(c-0.059,-0.075) -3.298,-40.418 ; -40.336,3.294 cw(c0,-0.04) -40.146,5.098 ; -3.295,-40.379 cw(c0,-40.132) 3.301,-40.282 ccw(c0.063,0.062) 35.858,-18.826 29.337,-15.24 cw(c31.176,-11.242) 32.97,-7.224 38.697,-9.738 39.256,-10.036 ccw(c0.063,0.062) 40.402,-3.232 cw(c40.155,0.063) 40.305,3.364 ; 40.4,3.372 ccw(c0.063,0.062) 40.204,5.233 ; 40.204,5.233 -40.146,5.2 40.204,5.233

## Text inside footprints (layer, text, board x,y; h text height)
J1: Bottom Overlay "1" at 25.199,11.725 h1.3; Bottom Overlay "2" at 25.529,14.316 h1.3